# Altium PCB TrackerController010.PcbDoc (part 1 of 2)
Units mm, origin at the board's own origin, x right, y up, seen from the top; angles counter-clockwise.
Board outline 70 x 102 mm, 2 copper layers (Top Layer, Bottom Layer); 125 components, 86 nets, 407 pads, 611 vias.
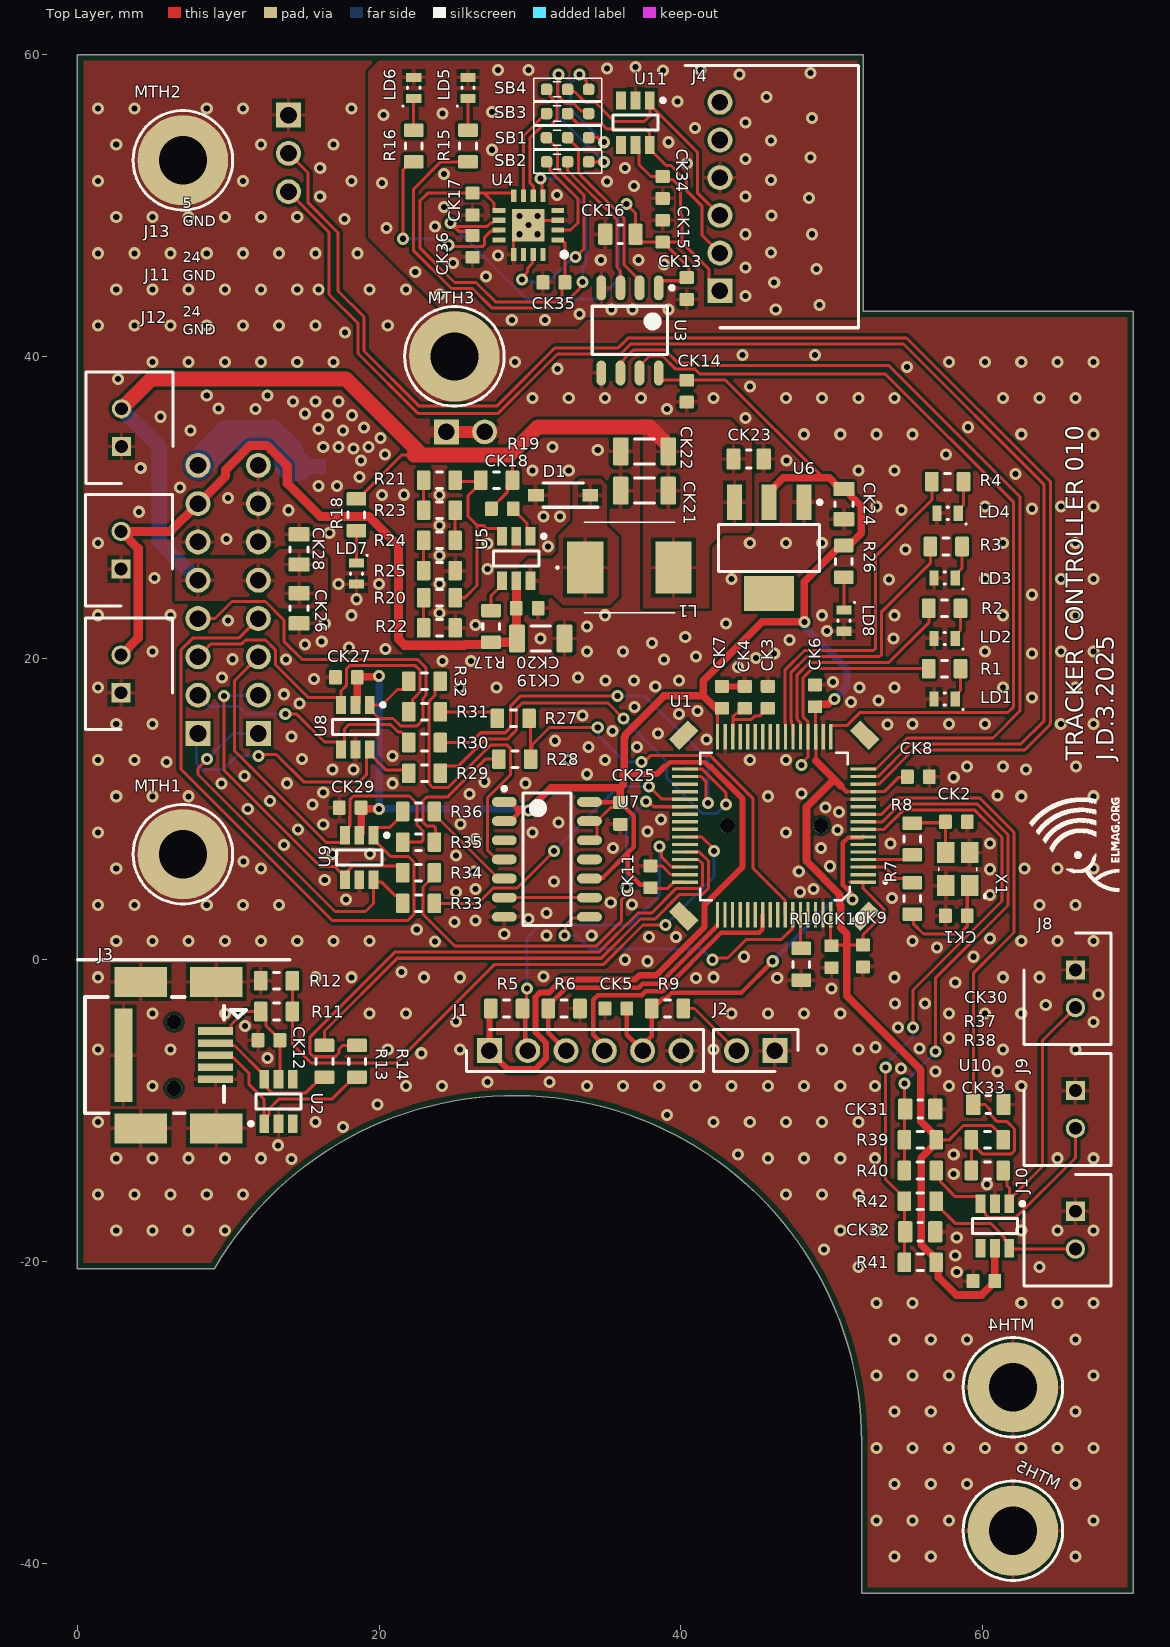
[diagram p0: Top Layer view]
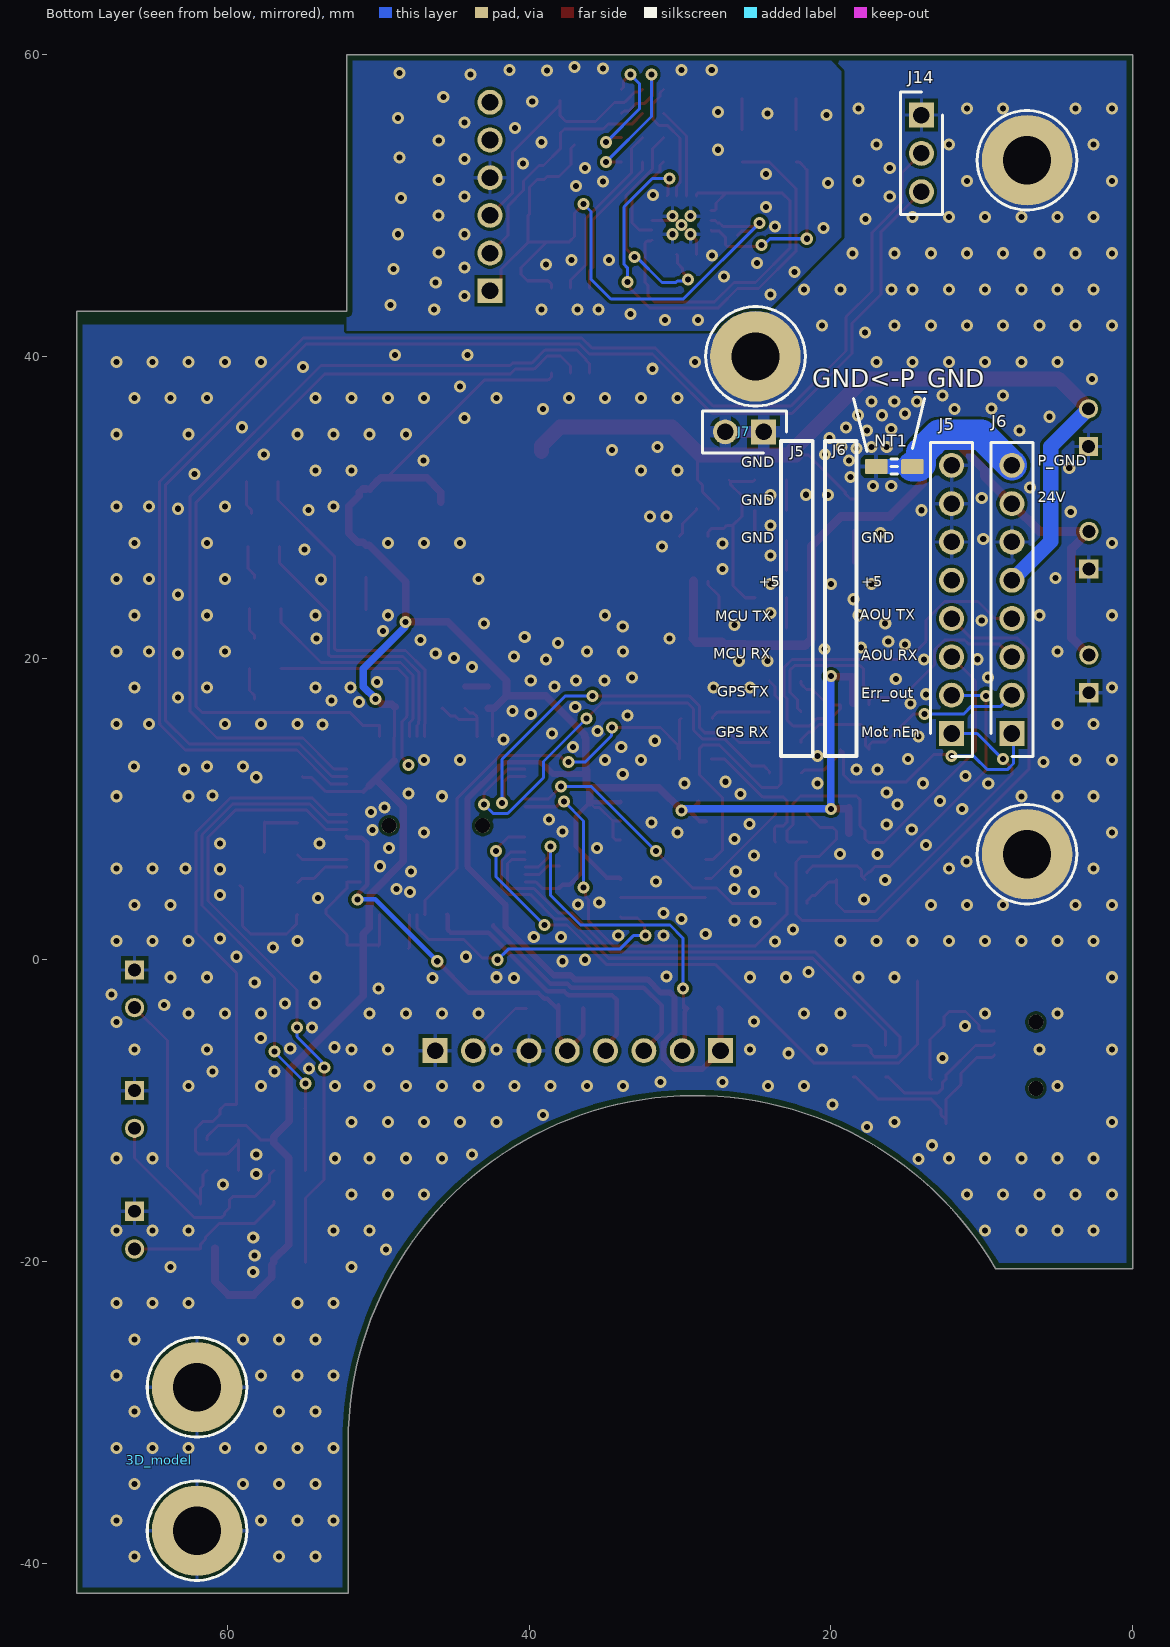
[diagram p1: Bottom Layer view, seen from below]
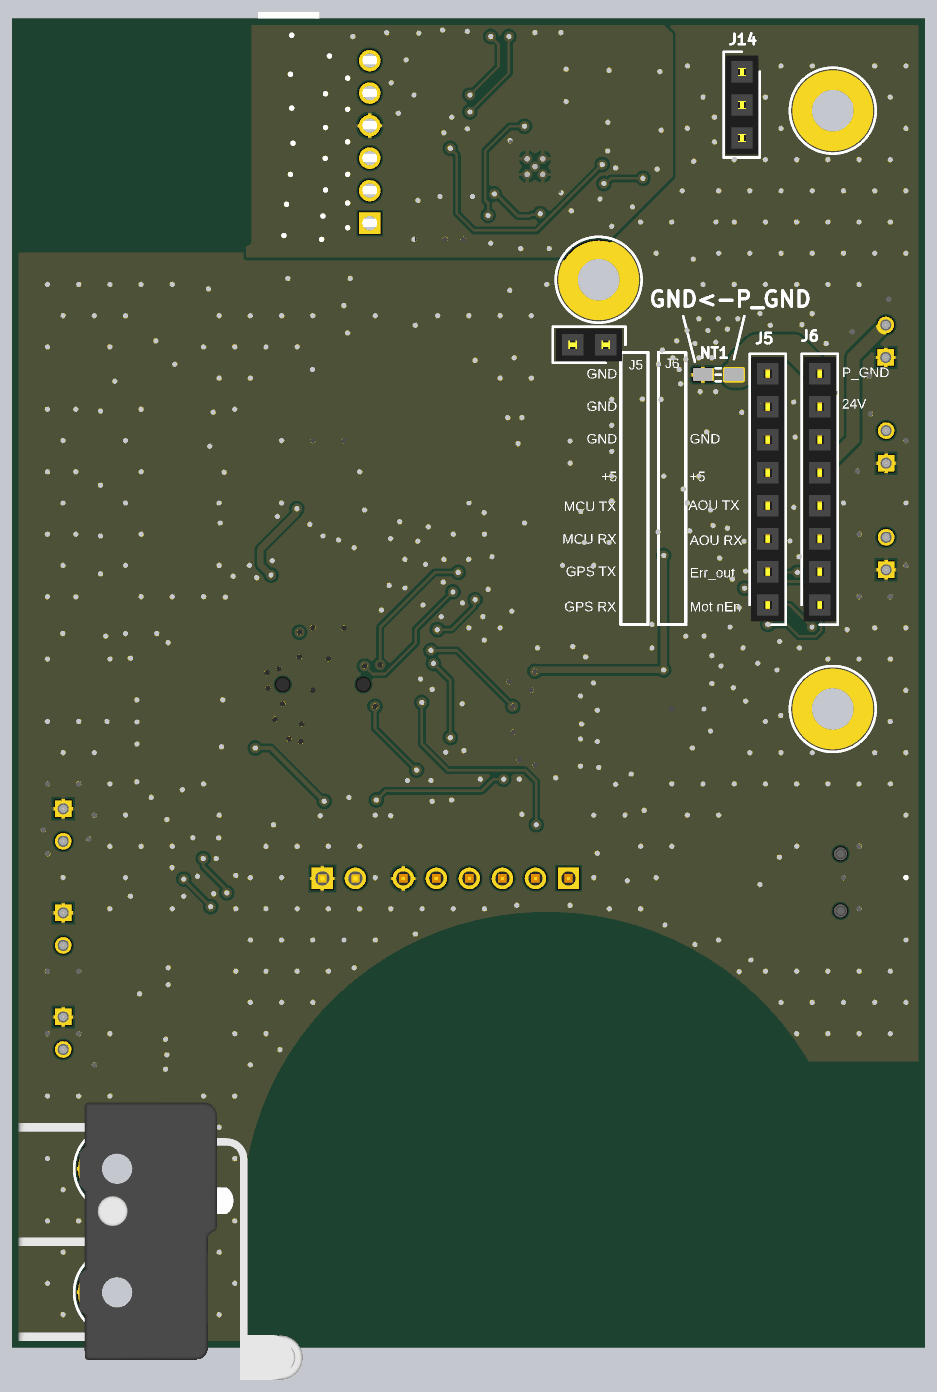
[diagram p3: 3D render of the assembled board from below, using the file's embedded part models]

## Layer stack, top to bottom
Top Solder: solder mask 0.0102, Solder Resist, Dk 3.5
Top Layer: signal copper 0.0356
Dielectric 1: dielectric 0.32, FR-4, Dk 4.8
Bottom Layer: signal copper 0.0356
Bottom Solder: solder mask 0.0102, Solder Resist, Dk 3.5

## Board outline
0,-20.5 0,60 52.1,60 52.1,43 70,43 70,-42 52,-42 52,-32 ccw(c29,-32) 9.081,-20.5

## Design rules (kind name [scope] priority, off if disabled: settings)
BoardOutlineClearance [All] p1: gap=0.4 ignorepadtopadclearanceinfootprint=FALSE
Clearance [All] p1: gap=0.2 ignorepadtopadclearanceinfootprint=FALSE
HoleSize [All] p1: absolutevalues=TRUE maxlimit=6 minlimit=0.025 maxpercent=80.000 minpercent=20.000
MinimumSolderMaskSliver [All] p1: minsoldermaskwidth=0.05
PolygonConnect [All] p1: connectstyle=Relief reliefconductorwidth=0.254 reliefentries=4 polygonreliefangle="90 Angle" airgapwidth=0.254
RoutingVias [All] p1: holewidth=0.4 width=0.8 viastyle="Through Hole" minholewidth=0.4 minwidth=0.8 maxholewidth=0.711 maxwidth=1.27
SilkToSolderMaskClearance [IsPad] p1: minsilkscreentomaskgap=0.01 clearancetoexposedcopper=TRUE
SolderMaskExpansion [All] p1: expansion=0.102 istentingtop=FALSE
SupplyNets "Schematic Supply Nets_8" [InNet('USB2_5V')] p1: voltage=0.000
SupplyNets "Schematic Supply Nets_7" [InNet('USB_ISOL_GND')] p2: voltage=0.000
SupplyNets "Schematic Supply Nets_6" [InNet('U5V')] p3: voltage=0.000
SupplyNets "Schematic Supply Nets_5" [InNet('+24V')] p4: voltage=0.000
SupplyNets "Schematic Supply Nets_4" [InNet('3V3')] p5: voltage=0.000
SupplyNets "Schematic Supply Nets_3" [InNet('GND')] p6: voltage=0.000
SupplyNets "Schematic Supply Nets_2" [InNet('+5')] p7: voltage=0.000
SupplyNets "Schematic Supply Nets_1" [InNet('P_GND')] p8: voltage=0.000
Width [All] p1: maxlimit=5 minlimit=0.2 preferedwidth=0.2
27 further rules are at their usual default settings.

## Classes and differential pairs
component class U_debug_leds: LD1 LD2 LD3 LD4 R1 R2 R3 R4
component class U_misc_connectors: J11 J12 J13
component class U_limit_switches_connector: 3D_model CK30 CK31 CK32 CK33 J8 J9 J10 R37 R38 R39 R40 R41 R42 U10
component class U_usb_conn: CK12 J3 R11 R12 R13 R14 U2
component class U_UART_bus: CK25 R27 R28 U7
component class U_power_supplies: CK18 CK19 CK20 CK21 CK22 CK23 CK24 D1 L1 LD7 LD8 NT1 R17 R18 R19 R20 R21 R22 R23 R24 R25 R26 U5 U6
component class U_miscellaneous: J7 MTH1 MTH2 MTH3 MTH4 MTH5
component class U_header_conn: CK26 CK27 CK28 CK29 J5 J6 R29 R30 R31 R32 R33 R34 R35 R36 U8 U9
component class U_FDTI_converter_out: CK13 CK14 CK15 CK16 CK17 CK34 CK35 CK36 J4 LD5 LD6 R15 R16 SB1 SB2 SB3 SB4 U3 U4 U11
component class main: CK1 CK2 CK3 CK4 CK5 CK6 CK7 CK8 CK9 CK10 CK11 J1 J2 J14 R5 R6 R7 R8 R9 R10 U1 X1

## Components (designator, comment, footprint, x,y, rotation, side; value= is the part's Value field where it differs from the comment)
3D_model "SS0505A" limit_sw_model 64.525,-33.15 r180 bottom
CK1 "12p" CAP0603 58.272,2.921 r180 top
CK2 "12p" CAP0603 58.272,9.144 r0 top
CK3 "2u2" CAP0603 45.78,17.399 r90 top
CK4 "2u2" CAP0603 44.256,17.399 r270 top
CK5 "100n" CAP0603 35.701,-3.232 r180 top
CK6 "100n" CAP0603 48.9,17.5 r90 top
CK7 "100n" CAP0603 42.732,17.399 r90 top
CK8 "100n" CAP0603 55.752,12.136 r0 top
CK9 "100n" CAP0603 52.084,0.254 r270 top
CK10 "100n" CAP0603 50,0.2 r270 top
CK11 "100n" CAP0603 38,5.5 r90 top
CK12 "100n" CAP0603 12.7,-5.334 r180 top
CK13 "100n" CAP0603 40.4,44.5 r90 top
CK14 "100n" CAP0603 40.4,37.7 r270 top
CK15 "100n" CAP0603 38.8,48.3 r90 top
CK16 "10u" CAP0805 36,48.1 r180 top
CK17 "100n" CAP0603 26.2,50.1 r270 top
CK18 "100n" CAP0603 28.175,29.9 r0 top
CK19 "10u" CAP1206 30.725,21.3 r0 top
CK20 "100n" CAP0603 29.825,23.3 r0 top
CK21 "10u" CAP1206 37.6,31.1 r180 top
CK22 "10u" CAP1206 37.6,33.7 r180 top
CK23 "10u" CAP0805 44.5,33.2 r0 top
CK24 "10u" CAP0805 50.814,30.21 r270 top
CK25 "100n" CAP0603 36,9.7 r270 top
CK26 "10u" CAP0805 14.7,23.3 r270 top
CK27 "100n" CAP0603 17.831,18.72 r180 top
CK28 "10u" CAP0805 14.7,27.2 r90 top
CK29 "100n" CAP0603 18.085,10.084 r180 top
CK30 "100n" CAP0805 60.4,-9.6 r0 top
CK31 "100n" CAP0805 55.88,-9.906 r0 top
CK32 "100n" CAP0805 55.88,-18.034 r0 top
CK33 "100n" CAP0603 60.1,-21.3 r180 top
CK34 "100n" CAP0603 38.8,51.2 r270 top
CK35 "100n" CAP0603 31.594,44.91 r180 top
CK36 "100n" CAP0603 26.2,47.3 r270 top
D1 "MBR0540-TP" SOD3716X135N 32.2,30.8 r180 top
J1 "Header 6p" "Pin header 6p" 27.319,-6.026 r0 top
J2 "Header 2p" "Pin header 2p" 46.242,-6.026 r180 top
J3 "Mini USB" "USB B Mini horizontal" 6.658,-6.328 r90 top
J4 "JST-XH-6" JST-XH-6 47.6,50.6 r270 top
J5 "Header 8p F" "Pin header 8p - F" 12,15 r90 bottom locked
J6 "Header 8p F" "Pin header 8p - F" 8,15 r90 bottom locked
J7 "Header 2p F" "Pin header 2p - F" 24.46,35 r0 bottom
J8 "JST-XH-2-VERT" JST-XH-2p-vert 66.167,-0.675 r270 top
J9 "JST-XH-2-VERT" JST-XH-2p-vert 66.167,-8.676 r270 top
J10 "JST-XH-2-VERT" JST-XH-2p-vert 66.167,-16.677 r270 top
J11 "JST-XH-2-VERT" JST-XH-2p-vert 2.9,25.9 r90 top
J12 "JST-XH-2-VERT" JST-XH-2p-vert 2.9,17.7 r90 top
J13 "JST-XH-2-VERT" JST-XH-2p-vert 2.927,34.027 r90 top
J14 "Header 3p F" "Pin header 3p - F" 14,56 r270 bottom
L1 "22uH" ETQP3M_KVN 36.6,26 r0 top
LD1 "Y" 0603_LED_Y 57.5,17.3 r180 top
LD2 "B" 0603_LED_B 57.5,21.3 r180 top
LD3 "G" 0603_LED_G 57.5,25.3 r180 top
LD4 "R" 0603_LED_R 57.7,29.6 r180 top
LD5 "R" 0603_LED_R 25.9,57.8 r90 top
LD6 "R" 0603_LED_R 22.3,57.8 r90 top
LD7 "G" 0603_LED_G 18.5,25.6 r270 top
LD8 "G" 0603_LED_G 50.814,22.479 r270 top
MTH1 "Hole" "3.2/6 MM" 7,7 r0 top locked
MTH2 "Hole" "3.2/6 MM" 7,53 r0 top locked
MTH3 "Hole" "3.2/6 MM" 25,40 r0 top locked
MTH4 "Hole" "3.2/6 MM" 62.025,-28.35 r180 top
MTH5 "Hole" "3.2/6 MM" 62.025,-37.85 r180 top
NT1 "Net tie" "Net tie" 15.8,32.7 r0 bottom net-tie
R1 "1k" RESC2012X06N(SMR0805) 57.5,19.3 r0 top
R2 "1k" RESC2012X06N(SMR0805) 57.5,23.3 r0 top
R3 "1k" RESC2012X06N(SMR0805) 57.6,27.4 r0 top
R4 "1k" RESC2012X06N(SMR0805) 57.7,31.7 r0 top
R5 "10k" RESC2012X06N(SMR0805) 28.462,-3.232 r180 top
R6 "10k" RESC2012X06N(SMR0805) 32.272,-3.232 r180 top
R7 "0R" RESC2012X06N(SMR0805) 55.351,4.064 r90 top
R8 "0R" RESC2012X06N(SMR0805) 55.351,8.001 r270 top
R9 "100R" RESC2012X06N(SMR0805) 39.13,-3.232 r0 top
R10 "10k" RESC2012X06N(SMR0805) 48,-0.3 r90 top
R11 "4k7" RESC2012X06N(SMR0805) 13.208,-3.429 r180 top
R12 "10k" RESC2012X06N(SMR0805) 13.208,-1.397 r0 top
R13 "0R" RESC2012X06N(SMR0805) 16.383,-6.731 r90 top
R14 "0R" RESC2012X06N(SMR0805) 18.542,-6.731 r90 top
R15 "1k" RESC2012X06N(SMR0805) 25.9,53.95 r90 top
R16 "1k" RESC2012X06N(SMR0805) 22.3,53.95 r90 top
R17 "10k" RESC2012X06N(SMR0805) 27.425,22.1 r270 top
R18 "1k" RESC2012X06N(SMR0805) 18.5,29.5 r270 top
R19 "10k" RESC2012X06N(SMR0805) 27.8,31.8 r0 top
R20 "1k" RESC2012X06N(SMR0805) 24,24 r0 top
R21 "10k" RESC2012X06N(SMR0805) 24,31.8 r0 top
R22 "1k" RESC2012X06N(SMR0805) 24,22 r180 top
R23 "10k" RESC2012X06N(SMR0805) 24,29.8 r180 top
R24 "10k" RESC2012X06N(SMR0805) 24,27.8 r0 top
R25 "10k" RESC2012X06N(SMR0805) 24,25.8 r180 top
R26 "1k" RESC2012X06N(SMR0805) 50.814,26.416 r270 top
R27 "0R" RESC2012X06N(SMR0805) 28.9,16 r180 top
R28 "0R" RESC2012X06N(SMR0805) 29,13.3 r180 top
R29 "100R" RESC2012X06N(SMR0805) 23.02,12.37 r0 top
R30 "100R" RESC2012X06N(SMR0805) 23.02,14.402 r0 top
R31 "100R" RESC2012X06N(SMR0805) 23.02,16.434 r0 top
R32 "100R" RESC2012X06N(SMR0805) 23.02,18.466 r0 top
R33 "100R" RESC2012X06N(SMR0805) 22.62,3.734 r0 top
R34 "100R" RESC2012X06N(SMR0805) 22.62,5.766 r0 top
R35 "100R" RESC2012X06N(SMR0805) 22.62,7.798 r0 top
R36 "100R" RESC2012X06N(SMR0805) 22.62,9.83 r0 top
R37 "10k" RESC2012X06N(SMR0805) 60.325,-11.938 r0 top
R38 "1k" RESC2012X06N(SMR0805) 60.325,-13.97 r0 top
R39 "10k" RESC2012X06N(SMR0805) 55.88,-11.938 r0 top
R40 "1k" RESC2012X06N(SMR0805) 55.88,-13.97 r0 top
R41 "10k" RESC2012X06N(SMR0805) 55.88,-20.066 r0 top
R42 "1k" RESC2012X06N(SMR0805) 55.88,-16.002 r0 top
SB1 "0603 0R" "Solder T bridge 0603" 31.8,54.5 r180 top
SB2 "0603 0R" "Solder T bridge 0603" 31.803,52.9 r180 top
SB3 "0603 0R" "Solder T bridge 0603" 31.803,56.1 r180 top
SB4 "0603 0R" "Solder T bridge 0603" 31.803,57.7 r180 top
U1 "STM32F401RCT6" LQFP64 46.19,8.89 r90 top
U2 "USBLC6-4SC6" SOT23-6 13.335,-9.398 r90 top
U3 "SI8621AB-B-IS" SOIC8 36.635,41.725 r270 top
U4 "FT230XQ-T" QFN65P400X400X80-17N 29.9,48.7 r180 top
U5 "AOZ1282CI" SOT23-6 29.1,26.6 r270 top
U6 "AMS1117-3.3" SOT230P700X180-4M 45.861,27.305 r270 top
U7 "SN74HC20DR" SOIC14 31.129,6.655 r0 top
U8 "USBLC6-4SC6" SOT23-6 18.429,15.418 r270 top
U9 "USBLC6-4SC6" SOT23-6 18.683,6.782 r270 top
U10 "USBLC6-4SC6" SOT23-6 60.833,-17.653 r270 top
U11 "USBLC6-4SC6" SOT23-6 37,55.5 r270 top
X1 "16 MHz" "3225 XTal" 58.361,6.012 r90 top

## Footprints (in the part's own frame and the unit in brackets; to place one, negate y for a bottom-side part, rotate by r counter-clockwise, add the part's x,y. Pads: shape width x height; smd on the part's side, far side on the other; paste and mask are expansions set on the pad)
"3.2/6 MM" [mm]
  round 6 hole 3.2 mask+0.1: 1(0,0)
  silkscreen extent -3.3,-3.3 3.3,3.3, body extent -3,-3 3,3, height 0.1
0603_LED_B [mm] "Chip Diode, 2-Leads, Body 1,60x0,80mm, IPC Low Density"
  rect 0.6x1 smd: 1(-0.7,0) 2(0.7,0)
  silkscreen extent -1.26,-0.4 0.05,0.76, body extent -0.8,-0.4 0.8,0.4, height 0.8
0603_LED_G [mm] "Chip Diode, 2-Leads, Body 1,60x0,80mm, IPC Low Density"
  rect 0.6x1 smd: 1(-0.7,0) 2(0.7,0)
  silkscreen extent -1.26,-0.4 0.05,0.76, body extent -0.8,-0.4 0.8,0.4, height 0.8
0603_LED_R [mm] "Chip Diode, 2-Leads, Body 1,60x0,80mm, IPC Low Density"
  rect 0.6x1 smd: 1(-0.7,0) 2(0.7,0)
  silkscreen extent -1.26,-0.4 0.05,0.76, body extent -0.8,-0.4 0.8,0.4, height 0.8
0603_LED_Y [mm] "Chip Diode, 2-Leads, Body 1,60x0,80mm, IPC Low Density"
  rect 0.6x1 smd: 1(-0.7,0) 2(0.7,0)
  silkscreen extent -1.26,-0.4 0.05,0.76, body extent -0.8,-0.4 0.8,0.4, height 0.8
"3225 XTal" [mm]
  rect 1.4x1.15 smd: 1(-1.1,-0.8) 2(1.1,-0.8) 3(1.1,0.8) 4(-1.1,0.8)
  silkscreen extent -1.9,-1.8 0.1,1.25, body extent -1.69,-1.26 1.69,1.26, height 0.7
CAP0603 [mm]
  rrect20% 0.85x0.95 smd: 1(-0.725,0) 2(0.725,0)
  body extent -0.85,-0.45 0.85,0.45, height 0.9
CAP0805 [mm]
  rrect20% 0.95x1.4 smd: 1(-1,0) 2(1,0)
  silkscreen extent -0.15,-0.6 0.15,0.6, body extent -1.05,-0.67 1.05,0.67, height 1.45
CAP1206 [mm]
  rrect20% 1.05x1.85 smd: 1(-1.575,0) 2(1.575,0)
  silkscreen extent -0.65,-0.82 0.65,0.82, body extent -1.7,-0.9 1.7,0.9, height 1.25
ETQP3M_KVN [mil]
  rect 95x135 smd: 1(-115,0) 2(115,0)
  silkscreen extent -190,-118 118,118, body extent -126,-118 126,118, height 118
JST-XH-2p-vert [mm]
  rect 1.275x1.275 hole 0.85: 1(0,0)
  round 1.275 hole 0.85: 2(2.5,0)
  silkscreen extent -2.45,-3.4 4.95,2.35, body extent -2.45,-2.88 4.95,2.88, height 7
JST-XH-6 [mm]
  rect 1.65x1.65 hole 1.1: 1(6.25,-5)
  round 1.65 hole 1.1: 2(3.75,-5) 3(1.25,-5) 4(-1.25,-5) 5(-3.75,-5) 6(-6.25,-5)
  silkscreen extent -8.7,-7.3 8.7,4.2, body extent -10.02,-5.9 9.98,4.3, height 6
limit_sw_model [mm]
  body extent -5.08,-11.43 16.77,9.9, height 6.24
LQFP64 [mm]
  rect 1x1.8 smd rot 135: 0(-6,6) 0(6,-6)
  rect 1x1.8 smd rot 45: 0(-6,-6) 0(6,6)
  round 1 hole 1 unplated: 0(0,3.1) 0(0,-3.1)
  rect 0.22x1.7 smd: 1(-3.747,-5.901) 2(-3.247,-5.901) 3(-2.747,-5.901) 4(-2.247,-5.901) 5(-1.747,-5.901) 6(-1.247,-5.901) 7(-0.747,-5.901) 8(-0.247,-5.901) 9(0.253,-5.901) 10(0.753,-5.901) 11(1.253,-5.901) 12(1.753,-5.901) 13(2.253,-5.901) 14(2.753,-5.901) 15(3.253,-5.901) 16(3.753,-5.901) 33(3.753,5.902) 34(3.253,5.902) 35(2.753,5.902) 36(2.253,5.902) 37(1.753,5.902) 38(1.253,5.902) 39(0.753,5.902) 40(0.253,5.902) 41(-0.247,5.902) 42(-0.747,5.902) 43(-1.247,5.902) 44(-1.747,5.902) 45(-2.247,5.902) 46(-2.747,5.902) 47(-3.247,5.902) 48(-3.747,5.901)
  rect 1.7x0.22 smd: 17(5.901,-3.753) 18(5.901,-3.253) 19(5.901,-2.753) 20(5.901,-2.253) 21(5.901,-1.753) 22(5.901,-1.253) 23(5.901,-0.753) 24(5.901,-0.253) 25(5.901,0.247) 26(5.901,0.747) 27(5.901,1.247) 28(5.901,1.747) 29(5.901,2.247) 30(5.901,2.747) 31(5.901,3.247) 32(5.901,3.747) 49(-5.902,3.753) 50(-5.902,3.253) 51(-5.902,2.753) 52(-5.902,2.253) 53(-5.902,1.753) 54(-5.902,1.253) 55(-5.902,0.753) 56(-5.902,0.253) 57(-5.902,-0.247) 58(-5.902,-0.747) 59(-5.902,-1.247) 60(-5.902,-1.747) 61(-5.902,-2.247) 62(-5.902,-2.746) 63(-5.902,-3.246) 64(-5.902,-3.746)
  silkscreen extent -4.94,-7.42 4.84,4.89, body extent -6.07,-6.07 6.07,6.07, height 1.6
"Net tie" [mm]
  rrect20% 1.5x1 smd: 1(-1.2,0) 2(1.2,0)
  Top Layer region: -0.704,0.5 0.696,0.5 0.696,-0.5 -0.704,-0.5
  silkscreen extent -0.2,-0.5 0.2,0.5
"Pin header 2p" [mm]
  rect 1.65x1.65 hole 1.1: 1(0,0)
  round 1.65 hole 1.1: 2(2.54,0)
  silkscreen extent -1.52,-1.4 4.06,1.4, body extent -1.27,-1.27 3.81,1.27, height 8.61
"Pin header 2p - F" [mm]
  rect 1.65x1.65 hole 1.1: 1(0,0)
  round 1.65 hole 1.1: 2(2.54,0)
  silkscreen extent -1.52,-1.4 4.06,1.4, body extent -1.27,-1.27 3.81,1.27, height 8.5
"Pin header 3p - F" [mm]
  rect 1.65x1.65 hole 1.1: 1(0,0)
  round 1.65 hole 1.1: 2(2.54,0) 3(5.08,0)
  silkscreen extent -1.52,-1.4 6.6,1.4, body extent -1.25,-1.25 6.37,1.29, height 8.5
"Pin header 6p" [mm]
  rect 1.65x1.65 hole 1.1: 1(0,0)
  round 1.65 hole 1.1: 2(2.54,0) 3(5.08,0) 4(7.62,0) 5(10.16,0) 6(12.7,0)
  silkscreen extent -1.52,-1.4 14.2,1.4, body extent -1.27,-1.27 13.97,1.27, height 8.89
"Pin header 8p - F" [mm]
  rect 1.65x1.65 hole 1.1: 1(0,0)
  round 1.65 hole 1.1: 2(2.54,0) 3(5.08,0) 4(7.62,0) 5(10.16,0) 6(12.7,0) 7(15.24,0) 8(17.78,0)
  silkscreen extent -1.52,-1.4 19.3,1.4, body extent -1.27,-1.27 19.05,1.27, height 8.5
QFN65P400X400X80-17N [mm]
  rect 0.85x0.35 smd: 1(-1.95,0.975) 2(-1.95,0.325) 3(-1.95,-0.325) 4(-1.95,-0.975) 9(1.95,-0.975) 10(1.95,-0.325) 11(1.95,0.325) 12(1.95,0.975)
  rect 0.35x0.85 smd: 5(-0.975,-1.95) 6(-0.325,-1.95) 7(0.325,-1.95) 8(0.975,-1.95) 13(0.975,1.95) 14(0.325,1.95) 15(-0.325,1.95) 16(-0.975,1.95)
  rect 2.15x2.15 smd: 17(0,0)
  silkscreen extent -2.54,1.79 -2.21,2.11, body extent -2.05,-2.05 2.05,2.05, height 0.8
RESC2012X06N(SMR0805) [mm] "Chip Resistor, 2-Leads, Body 2,00x1,25mm, IPC Medium Density"
  rrect20% 0.9x1.3 smd: 1(-1.05,0) 2(1.05,0)
  silkscreen extent -0.2,-0.55 0.2,0.55, body extent -1.1,-0.7 1.1,0.7, height 0.6
SOD3716X135N [mm]
  rect 1.05x0.85 smd: 1(-1.8,0) 2(1.8,0)
  silkscreen extent -2.32,-0.8 1.34,0.8, body extent -1.85,-0.85 1.85,0.85, height 1.25
SOIC8 [mm] "SOIC, 8-Leads, Body 4,90x3,90mm, Pitch 1,27mm, IPC Low Density"
  oval 1.65x0.65 smd: 1(-2.825,1.905) 2(-2.825,0.635) 3(-2.825,-0.635) 4(-2.825,-1.905) 5(2.825,-1.905) 6(2.825,-0.635) 7(2.825,0.635) 8(2.825,1.905)
  silkscreen extent -2.95,-2.5 1.6,2.91, body extent -3,-2.5 3,2.5, height 1.55
SOIC14 [mm]
  oval 1.65x0.65 smd: 1(-2.825,3.81) 2(-2.825,2.54) 3(-2.825,1.27) 4(-2.825,0) 5(-2.825,-1.27) 6(-2.825,-2.54) 7(-2.825,-3.81) 8(2.825,-3.81) 9(2.825,-2.54) 10(2.825,-1.27) 11(2.825,0) 12(2.825,1.27) 13(2.825,2.54) 14(2.825,3.81)
  silkscreen extent -2.95,-4.4 1.6,4.81, body extent -3,-4.4 3,4.4, height 1.75
"Solder T bridge 0603" [mil]
  rrect50% 30x30 smd: 1(-82.44,0) 2(-27.44,0) 3(27.56,0)
  silkscreen extent -116,-30 61,29, body extent -34,-18 34,18, height 22
SOT23-6 [mm] "SOT23, 6-Leads, Body 2,90x2,80mm, Pitch 0,95mm, IPC Low Density"
  rect 1.2x0.65 smd: 1(-1.475,0.95) 2(-1.475,0) 3(-1.475,-0.95) 4(1.475,-0.95) 5(1.475,0) 6(1.475,0.95)
  silkscreen extent -1.6,-1.5 0.5,1.95, body extent -1.6,-1.5 1.6,1.5, height 1.45
SOT230P700X180-4M [mm] "SOT223, 4-Leads, Body 6,50x7,00mm (avg), Pitch 2,30mm, IPC Low Density"
  rect 2.35x1 smd: 1(-3.025,2.3) 2(-3.025,0) 3(-3.025,-2.3)
  rect 2.35x3.3 smd: 4(3.025,0)
  silkscreen extent -3.15,-3.35 1.55,3.48, body extent -3.5,-3.35 3.5,3.35, height 1.8
"USB B Mini horizontal" [mm]
  round 1 hole 1 unplated: 0(-2.197,0.25) 0(2.197,0.25)
  rect 0.508x2.3 smd: 1(1.6,-2.5) 2(0.8,-2.5) 3(0,-2.5) 4(-0.8,-2.5) 5(-1.6,-2.5)
  rect 2x3.5 smd: 6(-4.85,-2.55) 6(-4.85,2.45) 6(4.85,-2.55) 6(4.85,2.45)
  rect 6.2x1.2 smd: 6(0.003,3.6)
  silkscreen extent -3.85,-4.51 3.85,6.15, body extent -4.95,-2.83 4.95,6.17, height 4

## Part data
3D_model: library part model_only_limit_sw, "Mikrospínač SNAP ACTION; 3A/250VAC; s páčkou (s kladkou); SPDT", TME Part=WLK-4MINI/HE
CK1 CK2: library part "Cap 12p 0603", "50V 12pF C0G ±5% 0603 Multilayer Ceramic Capacitors MLCC - SMD/SMT ROHS", JLCPCB Part=C38523, Voltage rating=50V, Basic=Yes
CK3 CK4: library part "Cap 2u2 0603", "16V 2.2uF X5R ±10% 0603 Multilayer Ceramic Capacitors MLCC - SMD/SMT ROHS", JLCPCB Part=C23630, Voltage rating=16V, Basic=Yes
CK5 CK6 CK7 CK8 CK9 CK10 CK11 CK12 CK25 CK27 CK29 CK33 CK34: library part "Cap 100n 0603", "50V 100nF X7R ±10% 0603 Multilayer Ceramic Capacitors MLCC - SMD/SMT ROHS", JLCPCB Part=C14663, Voltage rating=50V, Basic=Yes
CK13 CK14 CK15 CK17 CK18 CK20 CK35 CK36: library part "Cap 100n 50V 0603", "50V 100nF X7R ±10% 0603 Multilayer Ceramic Capacitors MLCC - SMD/SMT ROHS", JLCPCB Part=C14663, Voltage rating=50V, Basic=Yes
CK16 CK23 CK24 CK26 CK28: library part "Cap 10u 0805", "25V 10uF X5R ±10% 0805 Multilayer Ceramic Capacitors MLCC - SMD/SMT ROHS", JLCPCB Part=C15850, Voltage rating=25V, Basic=Yes
CK19 CK21 CK22: library part "Cap 10u 50V 1206", "50V 10uF X5R ±10% 1206 Multilayer Ceramic Capacitors MLCC - SMD/SMT ROHS", JLCPCB Part=C13585, Voltage rating=50V, Basic=Yes
CK30 CK31 CK32: library part "Cap 100n 100V 0805", "100V 100nF X7R ±10% 0805 Multilayer Ceramic Capacitors MLCC - SMD/SMT ROHS", JLCPCB Part=C28233, Voltage rating=100V, Basic=Yes
D1: library part "Diode Schottky MBR0540-TP", "Diode 40 V 500mA Surface Mount SOD-123", JLCPCB Part=C78744, Manufacturer_Name=MCC, Mouser Part Number=833-MBR0540-TP, Arrow Part Number=MBR0540-TP, Arrow Price/Stock=https://www.arrow.com/en/products/mbr0540-tp/micro-commercial-components?region=nac, Basic=No, Datasheet Link=https://mccsemi.com/pdf/Products/MBR0520-MBR0580(SOD123).pdf, Height=1.35mm, Manufacturer_Part_Number=MBR0540-TP, Mouser Price/Stock=https://www.mouser.co.uk/ProductDetail/Micro-Commercial-Components-MCC/MBR0540-TP?qs=Vo7e0yZOYdEH3ZK7VsaoCA%3D%3D, TME Part=MBR0540-TP
J1: library part "Pin header 6p", "3A Direct Insert Policy 6P -40℃~+105℃ 2.54mm Single Row Black Brass 1x6P Plugin,P=2.54mm Pin Headers ROHS", JLCPCB Part=C37208, Manufacturer_Name=Connfly, Manufacturer_Part_Number=DS1021-1*2SF11-B, Datasheet Link=https://www.tme.com/Document/cc301e58a5da78cb543a94b5a5b7f06a/DS1021.pdf, Height=5.88mm
J2: library part "Pin header 2p", "Connector", JLCPCB Part=C492401, Manufacturer_Name=Connfly, Manufacturer_Part_Number=DS1021-1*2SF11-B, Basic=No, Datasheet Link=https://www.tme.com/Document/cc301e58a5da78cb543a94b5a5b7f06a/DS1021.pdf, Height=5.88mm
J3: "Konektor: USB B mini; zásuvka; na PCB; SMT; PIN: 5; vodorovné", TME Part=MX-67503-1020
J4: library part JST-HX-6, "1x6P 6P XH Tin 6 -25℃~+85℃ 3A 1 2.5mm Brass Bend insert Push-Pull,P=2.5mm Wire To Board Connector ROHS; S6B-XH-A(LF)(SN)", JLCPCB Part=C157919, Basic=No, TME Part=S6B-XH-A
J5 J6: library part "Pin header 8p_F", "3A Direct Insert Policy 6P -40℃~+105℃ 2.54mm Single Row Black Brass 1x6P Plugin,P=2.54mm Pin Headers ROHS", Manufacturer_Name=Connfly, Manufacturer_Part_Number=DS1021-1*2SF11-B, Datasheet Link=https://www.tme.com/Document/cc301e58a5da78cb543a94b5a5b7f06a/DS1021.pdf, Height=5.88mm
J7: library part "Pin header 2p_F", "Connector", Manufacturer_Name=Connfly, Manufacturer_Part_Number=DS1021-1*2SF11-B, Basic=No, Datasheet Link=https://www.tme.com/Document/cc301e58a5da78cb543a94b5a5b7f06a/DS1021.pdf, Height=5.88mm
J8 J9 J10 J11 J12 J13: "Konektor: kabel-pl.spoj; zásuvka; vidlice; PIN: 2; XH; 3A; 250V; THT", Basic=No, TME Part=B2B-XH-A
J14: library part "Pin header 3p_F", "Direct Insert 2.54mm Policy 3A 2.5mm -40℃~+105℃ 3mm 6mm 250V Black 1x3P Single Row 3P Pin Headers", Manufacturer_Name=Connfly, Manufacturer_Part_Number=DS1021-1*2SF11-B, Basic=No, Datasheet Link=https://www.tme.com/Document/cc301e58a5da78cb543a94b5a5b7f06a/DS1021.pdf, Height=5.88mm
L1: library part "Ind 22uH 2.2A", "2.2A 22uH Integrated molded inductor ±20% SMD,6.4x6mm Power Inductors ROHS", Current=2.2A, JLCPCB Part=C412305, Basic=No, Published=1-Apr-2025, Publisher="Altium Limited", TME Part=ETQP3M220KVN
LD1: library part "LED Y 0603", "0603 Yellow Led", JLCPCB Part=C7496811
LD2: library part "LED B 0603", "0603 Blue Led", JLCPCB Part=C7496819
LD3 LD7 LD8: library part "LED G 0603", "0603 Green Led", JLCPCB Part=C22371297
LD4 LD5 LD6: library part "LED R 0603", "-40℃~+85℃ Red 0603 LED Indication - Discrete ROHS", JLCPCB Part=C2286
MTH1 MTH2 MTH3 MTH4 MTH5: "Universal mounting hole plated"
R1 R2 R3 R4 R15 R16 R18 R20 R22 R26 R38 R40 R42: library part "Res 1k 0805", "125mW Thick Film Resistors 150V ±100ppm/℃ ±1% 1kΩ 0805 Chip Resistor - Surface Mount ROHS", JLCPCB Part=C17513, Package=0805, Tolerance & Rating=1%/0.1W, Author=JP/27.03.2014, Basic=Yes, ComponentLink3Description="rezistor čip", ComponentLink3URL=heliosgreen://v1/hegMT/5-MT/Classes(343)/Folders/OpenForm?RecordNumbers=[381513], SMD=1
R5 R6 R10 R12 R17 R19 R21 R23 R24 R25 R37 R39 R41: library part "Res 10k 0805", "125mW Thick Film Resistors 150V ±100ppm/℃ ±1% 10kΩ 0805 Chip Resistor - Surface Mount ROHS", JLCPCB Part=C17414, Package=0805, Tolerance & Rating=1%/0.1W, Basic=Yes, ComponentLink3Description="rezistor čip", ComponentLink3URL=heliosgreen://v1/hegMT/5-MT/Classes(343)/Folders/OpenForm?RecordNumbers=[381513], SMD=1
R7 R8 R13 R14 R27 R28: library part "Res 0R 0805", "125mW Thick Film Resistors 150V ±800ppm/℃ ±1% 0Ω 0805 Chip Resistor - Surface Mount ROHS", JLCPCB Part=C17477, Package=0805, Tolerance & Rating=1%/0.1W, Author=JP/27.03.2014, Basic=YES, ComponentLink3Description="rezistor čip", ComponentLink3URL=heliosgreen://v1/hegMT/5-MT/Classes(343)/Folders/OpenForm?RecordNumbers=[381513], SMD=1
R9 R29 R30 R31 R32 R33 R34 R35 R36: library part "Res 100R 0805", "125mW Thick Film Resistors 150V ±100ppm/℃ ±1% 100Ω 0805 Chip Resistor - Surface Mount ROHS", JLCPCB Part=C17408, Package=0805, Tolerance & Rating=1%/0.1W, Author=JP/27.03.2014, Basic=Yes, ComponentLink3Description="rezistor čip", ComponentLink3URL=heliosgreen://v1/hegMT/5-MT/Classes(343)/Folders/OpenForm?RecordNumbers=[381513], SMD=1
R11: library part "Res 4k7 0805", "125mW Thick Film Resistors 150V ±100ppm/℃ ±1% 4.7kΩ 0805 Chip Resistor - Surface Mount ROHS", JLCPCB Part=C17673, Package=0805, Tolerance & Rating=1%/0.1W, Author=JP/27.03.2014, Basic=YES, ComponentLink3Description="rezistor čip", ComponentLink3URL=heliosgreen://v1/hegMT/5-MT/Classes(343)/Folders/OpenForm?RecordNumbers=[381513], SMD=1
SB1 SB2 SB3 SB4: library part "0R T-junction", JLCPCB Part=C21189, Basic=Yes
U1: "256KB 1.7V~3.6V ARM-M4 64KB 84MHz FLASH 50 LQFP-64(10x10) Microcontrollers (MCU/MPU/SOC) ROHS", JLCPCB Part=C74524, Basic=No
U2 U8 U9 U10 U11: "5A 17V 6V Unidirectional 5.25V SOT-23-6 ESD and Surge Protection (TVS/ESD) ROHS", JLCPCB Part=C111212, Basic=No, TME Part=USBLC6-4SC6
U3: "SOIC-8 Digital Isolators ROHS", JLCPCB Part=C430265, Basic=No, TME Part=SI8621AB-B-IS
U4: "Integrated Circuit", JLCPCB Part=C3216402, Manufacturer_Name="FTDI Chip", Mouser Part Number=895-FT230XQ-T, Arrow Part Number=FT230XQ-T, Arrow Price/Stock=https://www.arrow.com/en/products/ft230xq-t/ftdi-chip?region=europe, Basic=No, Datasheet Link=https://www.ftdichip.com/Support/Documents/DataSheets/ICs/DS_FT230X.pdf, Height=0.8mm, Manufacturer_Part_Number=FT230XQ-T, Mouser Price/Stock=https://www.mouser.co.uk/ProductDetail/FTDI/FT230XQ-T?qs=Gp1Yz1mis3UQjzUa74hRVg%3D%3D, TME Part=FT230XQ-T
U5: "Step-down type Adjustable 800mV~36V 1.2A 4.5V~36V SOT-23-6 DC-DC Converters ROHS", JLCPCB Part=C111916, Manufacturer_Name="Alpha & Omega Semiconductors", Arrow Part Number=AOZ1282CI, Arrow Price/Stock=https://www.arrow.com/en/products/aoz1282ci/alpha-and-omega-semiconductor?region=nac, Basic=No, Datasheet Link=http://www.aosmd.com/res/data_sheets/AOZ1282CI.pdf, Height=1.25mm, Manufacturer_Part_Number=AOZ1282CI, TME Part=AOZ1282CI
U6: "72dB@(120Hz) 1A Fixed 3.3V Positive electrode SOT-223 Voltage Regulators - Linear, Low Drop Out (LDO) Regulators ROHS", JLCPCB Part=C6186, Basic=Yes
U7: "2V~6V 2uA 2 19ns@6V,50pF NAND Gates SOIC-14 Logic Gates ROHS", JLCPCB Part=C2867684, Basic=No, TME Part=SN74HC20DR
X1: library part "16 MHz crystal", "X322516MLB4SI / 16MHz Surface Mount Crystal 9pF ±10ppm ±20ppm SMD3225-4P Crystals ROHS", JLCPCB=C13738, Basic=Yes

## Via types
v1: diameter 0.8, hole 0.4, Top Layer to Bottom Layer, tented both sides, 611 vias

## Nets (pads, with @x,y where several pads share a name; then routed paths per layer and width w, separated by ;. In a path a pad name is that pad's centre, name@x,y a point inside that pad or via, vN(x,y) a via of type N, cw(c..) or ccw(c..) an arc to the next point about the centre after c; other vN are vias at no path point)
3V3: CK6.1 CK7.1 CK8.1 CK9.1 CK10.1 CK11.1 CK14.1 CK24.1 CK25.1 CK27.1 CK29.1 CK33.1 J1.1 R5.2 R26.1 R37.2 R39.2 R41.2 U1.1 U1.13 U1.19 U1.32 U1.48 U1.64 U3.8 U6.2 U7.1 U7.2 U7.10 U7.12 U7.13 U7.14 U8.2 U9.2 U10.5 | length 233
  Top Layer w0.2: U8.2@18.429,16.893 U8.2@18.556,17.02 ; U9.2@18.683,8.257 U9.2@18.81,8.384 ; CK29.1@18.81,10.084 CK29.1@18.894,10 ; U7.12@33.954,7.925 34.25,7.925 34.458,8.133 34.458,9.142 34.405,9.195 U7.13@33.954,9.195 ; U7.13@34.454,9.195 35.359,10.1 35.675,10.1 CK25.1@36,10.425 ; CK11.1@38,4.775 38.039,4.736 39.143,4.736 39.539,5.132 39.539,5.134 39.549,5.144 U1.48@40.289,5.144 ; U3.8@38.54,38.9 38.54,38.633 38.748,38.425 CK14.1@40.4,38.425 42.975,38.425 49.445,31.955 ; CK7.1@42.432,16.674 42.432,15.543 42.444,15.532 U1.32@42.444,14.791 ; CK6.1@48.908,16.767 48.916,16.759 48.943,16.732 U1.19@48.943,14.791 48.953,14.781 48.953,13.185 ; U1.64@49.937,2.989 49.937,0.988 CK10.1@50,0.925 50.054,0.979 51,0.979 CK9.1@52.084,0.979 52.084,1.653 53.48,3.049 53.48,3.345 52.092,4.734 U1.1@52.092,5.143 52.082,5.153 51.197,5.153 ; 49.956,32.067 50.242,31.782 CK24.1@50.242,31.585 ; CK24.1@50.589,31.21 CK24.1@50.814,31.21 ; 50.995,11.143 50.995,11.153 52.082,11.153 U1.13@52.092,11.143 53.49,11.143 54.419,12.072 54.963,12.072 CK8.1@55.027,12.136 ; R39.2@56.93,-11.938 57.803,-11.938 58.753,-10.988 60.625,-10.988 61.375,-11.738 R37.2@61.375,-11.938
  Top Layer w0.3: U7.2@28.304,9.195 28.709,9.195 29.233,9.719 29.233,9.941 28.804,10.37 U7.1@28.804,10.465 ; U7.10@33.954,5.385 34.021,5.452 34.852,5.452 36.5,7.1 ; U7.14@33.954,10.465 33.974,10.445 35.98,10.445 CK25.1@36,10.425 36.9,9.525 36.9,7.5 36.5,7.1 ; CK11.1@38,4.775 37.794,4.981 37.319,4.981 36.5,5.8 36.5,7.1 ; 38.919,12.8 38.99,12.8 39.294,13.103 41.599,13.103 41.902,12.8 41.973,12.8 ; 50.598,11.541 50.995,11.143
  Top Layer w0.4: R5.2@27.412,-3.232 27.319,-3.325 J1.1@27.319,-6.026 28.544,-7.251 30.366,-7.251 31.084,-6.533 31.084,-5.519 30.372,-4.807 30.372,-2.469 30.659,-2.182 31.269,-2.182 32.151,-1.3 36.985,-1.3 37.257,-1.028 38.372,-1.028 41.58,2.18 41.58,3.658 44.1,6.178 44.1,10.673 41.973,12.8 ; 36.205,12.3 38.419,12.3 38.919,12.8
  Top Layer w0.5: U8.2@18.556,17.02 CK27.1@18.556,18.72 18.596,18.76 19.96,18.76 v1(20,18.8) ; U9.2@18.81,8.384 CK29.1@18.81,10.084 ; CK29.1@18.894,10 v1(20,10) ; 29.233,9.941 29.859,9.941 v1(29.9,9.9) 31.4,11.4 36,11.4 ; CK25.1@36,10.425 36,11.4 ; 36.205,12.559 36.205,12.3 36.205,11.605 36,11.4 ; 36.246,12.6 36.246,14.728 36.319,14.801 36.319,14.919 38.893,17.493 41.507,17.493 ; CK7.1@42.732,16.674 42.432,16.674 42.326,16.674 41.507,17.493 ; U6.2@45.861,30.33 45.861,31.005 46.811,31.955 49.445,31.955 49.844,31.955 50.228,31.571 CK24.1@50.589,31.21 ; CK6.1@48.9,16.775 CK6.1@48.908,16.767 ; CK6.1@48.916,16.759 48.934,16.759 49.125,16.95 49.769,16.95 50.11,17.291 v1(50.191,17.291) ; 48.953,13.185 50.169,11.969 ; 50.598,11.541 50.169,11.969 ; CK24.1@50.814,31.21 51.039,31.21 51.264,30.985 51.264,30.76 51.964,30.06 51.964,28.264 51.366,27.666 51.014,27.666 R26.1@50.814,27.466 50.614,27.466 48.2,25.052 v1(48.2,22.4) 45.4,22.4 41.507,18.507 41.507,17.493 ; U10.5@60.833,-19.128 60.833,-21.292 CK33.1@60.825,-21.3 60.825,-21.35 59.95,-22.225 58.265,-22.225 57.072,-21.032 57.072,-20.208 R41.2@56.93,-20.066 56.93,-19.866 55.955,-18.891 55.955,-13.113 56.93,-12.138 R39.2@56.93,-11.938 56.93,-11.738 55.9,-10.708 55.9,-7.298 51,-2.398 51,0.979 51,1.724 50.6,2.124 50.6,3.598 50.55,3.648 50.55,4.316 48.34,6.526 48.34,10.14 50.169,11.969
  Bottom Layer w0.5: v1(20,18.8) v1(20,10) 29.719,10 29.819,9.9 v1(29.9,9.9) ; v1(48.2,22.4) 48.257,22.343 48.257,22.043 51,19.3 51,18.1 v1(50.191,17.291)
+5: CK18.1 CK21.1 CK22.1 CK23.1 CK26.1 CK28.1 J5.5 J6.5 J13.2 L1.2 R18.1 R19.2 U6.3 | length 63.9
  Top Layer w0.2: R18.1@18.5,30.55 18.7,30.55 19.05,30.9 19.05,31 21.525,33.475 22.325,33.475 ; CK18.1@27.45,29.9 27.45,29.95 28.5,31 28.5,31.45 R19.2@28.85,31.8 28.85,33.65
  Top Layer w1: J13.2@2.927,36.527 4.9,38.5 17.8,38.5 22.575,33.725 ; 22.325,33.475 28.675,33.475 28.85,33.65 30.525,35.325 37.95,35.325 39.175,34.1 CK22.1@39.175,33.7
  Bottom Layer w1: J13.2@2.927,36.527 5.428,34.026 5.428,27.732 J6.5@8,25.16
+24V: CK19.1 CK20.1 J6.7 J11.2 J12.2 R17.2 U5.5 | length 51.8
  Top Layer w0.6: J12.2@2.9,20.2 4.038,21.338 4.038,27.262 J11.2@2.9,28.4 6.16,28.4 J6.7@8,30.24 9.826,32.066 9.826,32.48 11.451,34.105 12.549,34.105 13.913,32.74 13.913,31.587 16.1,29.4 19.304,29.4 21.3,27.404 21.3,21.251 21.701,20.85 25.654,20.85 25.704,20.9 27.075,20.9 27.225,21.05 28.9,21.05 CK19.1@29.15,21.3 29.125,21.325 29.125,25.1 U5.5@29.1,25.125
FDTI_VCCIO: CK17.1 CK35.1 U4.1 U4.8 U4.9 | length 26.6
  Top Layer w0.2: U4.9@27.95,49.675 27.7,49.675 27.625,49.75 27.625,50.175 26.975,50.825 ; U4.8@28.925,50.65 28.925,50.75 28.85,50.825 26.975,50.825 ; U4.1@31.85,47.725 31.925,47.65 32.202,47.65 32.319,47.533 CK35.1@32.319,44.91 32.135,44.726 32.135,44.035 31.7,43.6 27.733,43.6 26.433,44.9 25,44.9 22.7,47.2 22.7,50.3 23.225,50.825 26.525,50.825 26.875,50.825 26.975,50.825
FTDI_UART_RXD: SB1.3 U4.15 | length 15.5
  Top Layer w0.2: v1(29.486,45.086) 29.486,45.248 29.851,45.614 29.851,45.851 30.175,46.175 30.175,46.7 U4.15@30.225,46.75 ; SB1.3@31.1,54.5 31.819,53.781 31.819,52.737 31.819,52.447 33.6,50.666 33.6,47.151 33.049,46.6 v1(33.019,46.6)
  Bottom Layer w0.2: v1(29.486,45.086) 29.572,45 30.186,45 30.286,44.9 31.2,44.9 32.9,46.6 v1(33.019,46.6)
FTDI_UART_TXD: SB2.3 U4.2 | length 6.4
  Top Layer w0.2: SB2.3@31.103,52.9 31.328,52.675 31.328,52.312 33.2,50.44 33.2,48.877 32.698,48.375 U4.2@31.85,48.375